# KiCad board FT232H_Board.kicad_pcb (continued)
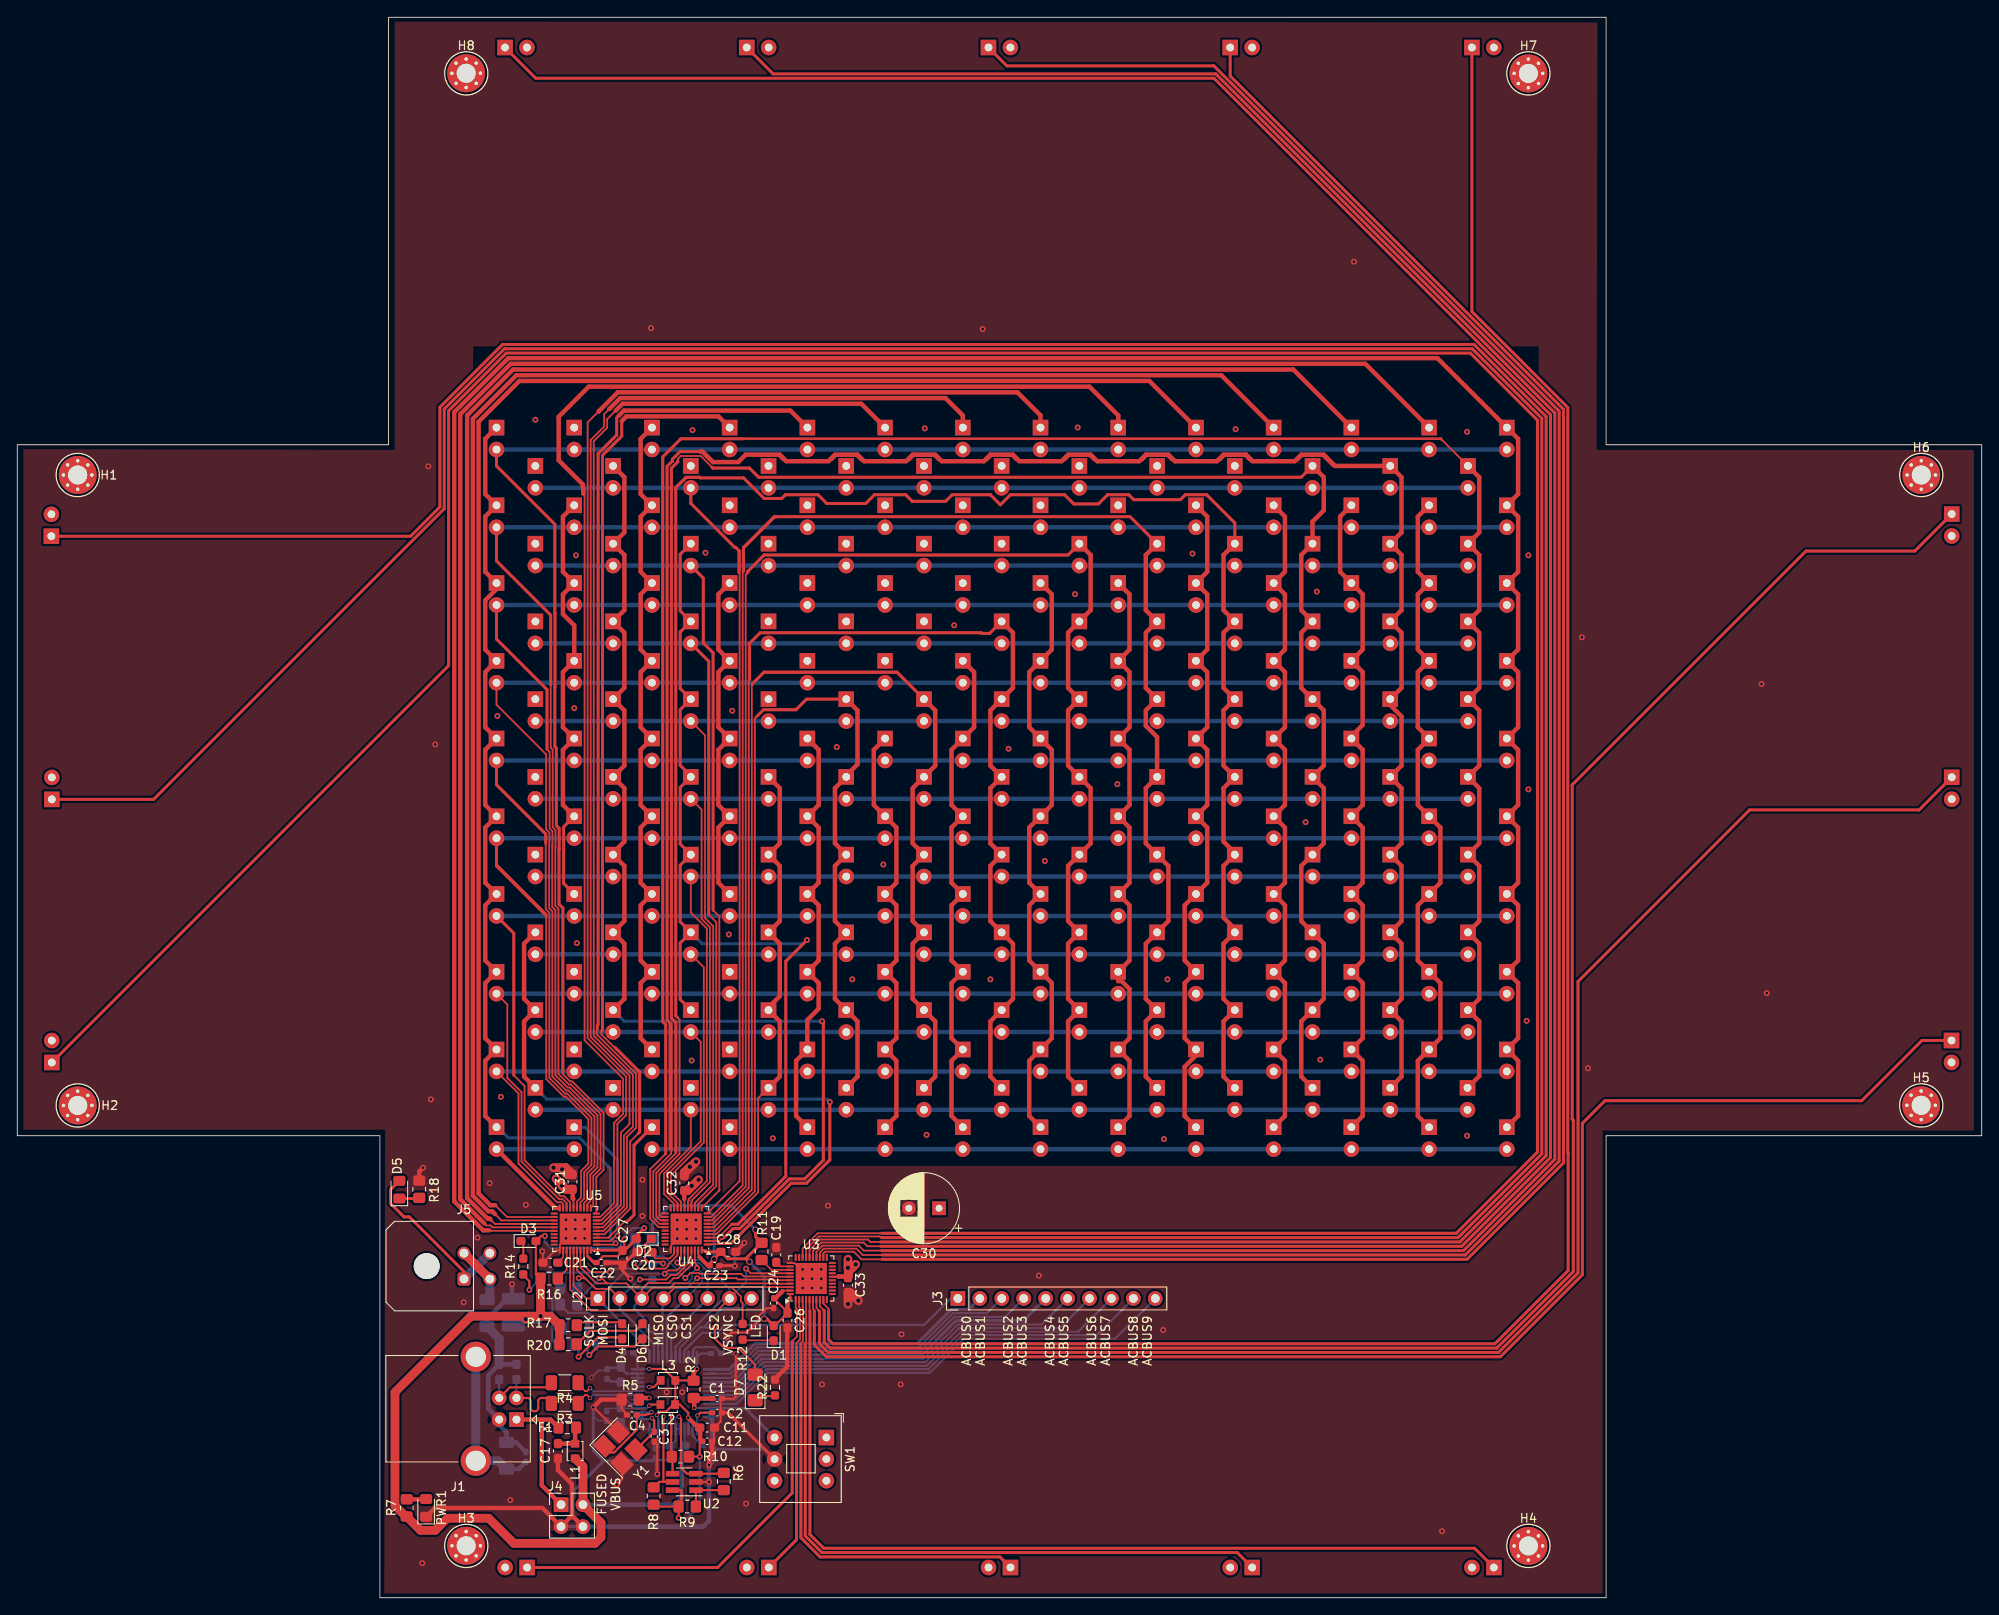
[diagram p0: board, top side]
## Placement (name value [footprint] x y rotation side) (continued)
H4  MountingHole  [MountingHole_2.2mm_M2_Pad_Via]  175 6 0 top
H5  MountingHole  [MountingHole_2.2mm_M2_Pad_Via]  220.48 57.02 0 top
H6  MountingHole  [MountingHole_2.2mm_M2_Pad_Via]  220.5 130 0 top
H7  MountingHole  [MountingHole_2.2mm_M2_Pad_Via]  175 176.5 0 top
H8  MountingHole  [MountingHole_2.2mm_M2_Pad_Via]  51.98 176.52 0 top
J1  USB_B  [USB_B_OST_USB-B1HSxx_Horizontal]  57.81 20.63 180 top
J2  Conn_01x08  [PinHeader_1x08_P2.54mm_Vertical]  67.24 34.65 90 top
J3  Conn_01x10  [PinHeader_1x10_P2.54mm_Vertical]  108.93 34.65 90 top
J4  POWER  [PinHeader_2x02_P2.54mm_Vertical]  62.98 10.77 0 top
J5  Molex Micro-Fit  [Molex_Micro-Fit_3.0_43045-0400_2x02_P3.00mm_Horizontal]  51.73 36.9 90 top
L1  600R@0.5A  [L_Murata_LQH2MCNxxxx02_2.0x1.6mm]  64.6 16.98 90 top
L2  600R@0.5A  [L_Murata_LQH2MCNxxxx02_2.0x1.6mm]  75.33 22.37 180 top
L3  600R@0.5A  [L_Murata_LQH2MCNxxxx02_2.0x1.6mm]  75.36 25.16 180 top
PWR1  RED  [LED_0805_2012Metric_Pad1.15x1.40mm_HandSolder]  47.35 10.4 90 top
Q1  NPN  [SOT-23]  63.35 30.24 90 bottom
Q2  NPN  [SOT-23]  67 30.25 270 bottom
R1  0R  [R_1206_3216Metric_Pad1.30x1.75mm_HandSolder]  56.66 16.45 270 bottom
R2  10k  [R_0805_2012Metric_Pad1.20x1.40mm_HandSolder]  78.33 24.13 90 top
R3  0R  [R_1206_3216Metric_Pad1.30x1.75mm_HandSolder]  63.4 22.5 180 top
R4  0R  [R_1206_3216Metric_Pad1.30x1.75mm_HandSolder]  63.4 24.9 180 top
R5  12K@1%  [R_0805_2012Metric_Pad1.20x1.40mm_HandSolder]  70.98 22.94 0 top
R6  2k  [R_0805_2012Metric_Pad1.20x1.40mm_HandSolder]  81.83 13.46 90 top
R7  600R  [R_0805_2012Metric_Pad1.20x1.40mm_HandSolder]  45.1 10.4 270 top
R8  10k  [R_0805_2012Metric_Pad1.20x1.40mm_HandSolder]  73.7 11.78 270 top
R9  10k  [R_0805_2012Metric_Pad1.20x1.40mm_HandSolder]  77.59 10.56 180 top
R10  10k  [R_0805_2012Metric_Pad1.20x1.40mm_HandSolder]  76.79 16.33 0 top
R11  4.7kR  [R_0805_2012Metric_Pad1.20x1.40mm_HandSolder]  86.2 40.1 270 top
R12  1.3k  [R_0603_1608Metric_Pad0.98x0.95mm_HandSolder]  84 30.8 90 top
R13  1.3k  [R_0603_1608Metric_Pad0.98x0.95mm_HandSolder]  73.55 37.7 270 bottom
R14  1.3k  [R_0603_1608Metric_Pad0.98x0.95mm_HandSolder]  58.6 38.35 270 top
R15  4.7kR  [R_0805_2012Metric_Pad1.20x1.40mm_HandSolder]  72.55 41.55 180 bottom
R16  4.7kR  [R_0805_2012Metric_Pad1.20x1.40mm_HandSolder]  61.6 36.95 0 top
R17  480R  [R_0805_2012Metric_Pad1.20x1.40mm_HandSolder]  63.8 31.55 0 top
R18  600R  [R_0805_2012Metric_Pad1.20x1.40mm_HandSolder]  46.55 47.3 90 top
R19  10k  [R_0805_2012Metric_Pad1.20x1.40mm_HandSolder]  63.85 35.85 0 bottom
R20  480R  [R_0805_2012Metric_Pad1.20x1.40mm_HandSolder]  63.8 29.35 0 top
R21  10k  [R_0805_2012Metric_Pad1.20x1.40mm_HandSolder]  63.85 33.95 0 bottom
R22  100  [R_0603_1608Metric_Pad0.98x0.95mm_HandSolder]  87.75 24.35 90 top
R23  0R  [R_1206_3216Metric_Pad1.30x1.75mm_HandSolder]  54.4 32.95 270 bottom
SW1  RESET  [SW_Push_2P2T_Toggle_CK_PVA2xxH3xxxxxxV2]  93.7 18.55 270 top
TVS1  PGB1010603  [D_0603_1608Metric_Pad1.05x0.95mm_HandSolder]  55.81 26.15 90 bottom
TVS2  PGB1010603  [D_0603_1608Metric_Pad1.05x0.95mm_HandSolder]  57.81 26.15 90 bottom
U1  FT232H  [LQFP-48_7x7mm_P0.5mm]  75.98 23.7 0 bottom
U2  93LCxxBxxOT  [SOT-23-6_Handsoldering]  77.24 13.41 180 top
U3  LP5860T  [QFN-40-1EP_5x5mm_P0.4mm_EP3.6x3.6mm]  91.95 36.97 90 top
U4  LP5860T  [QFN-40-1EP_5x5mm_P0.4mm_EP3.6x3.6mm]  77.47 42.7 180 top
U5  LP5860T  [QFN-40-1EP_5x5mm_P0.4mm_EP3.6x3.6mm]  64.62 42.69 180 top
Y1  12MHz@12ppm  [Crystal_SMD_3225-4Pin_3.2x2.5mm_HandSoldering]  69.82 17.35 315 top

## Library data of the parts
C1 C2 C6 C8 C10 C12-C16 C18 = -: LCSC: C2655418; ki_fp_filters: C_*
C3 C4 = -: LCSC: C513591; ki_fp_filters: C_*
C5 C7 C9 C11 = -: LCSC: C5596636; ki_fp_filters: CP_*
C17 = -: LCSC: C43253; ki_fp_filters: C_*
C19-C21 = -: Description: Unpolarized capacitor; LCSC: C76619; ki_fp_filters: C_*
C22-C24 = -: Description: Unpolarized capacitor; LCSC: C147546; ki_fp_filters: C_*
C25 = -: Description: Unpolarized capacitor; LCSC: C597571; ki_fp_filters: C_*
C26-C28 C31-C33 = -: LCSC: C76619; ki_fp_filters: C_*
C30 = -: Description: Polarized capacitor; LCSC: C840077; ki_fp_filters: CP_*
D1-D3 = -: Description: Light emitting diode; LCSC: C189306; ki_fp_filters: LED* LED_SMD:* LED_THT:*
D4 D6 = -: Description: Light emitting diode, filled shape; LCSC: C7496818; ki_fp_filters: LED* LED_SMD:* LED_THT:*
D5 = -: Description: Light emitting diode; LCSC: C7496834; ki_fp_filters: LED* LED_SMD:* LED_THT:*
D7 = -: Description: Light emitting diode; LCSC: C965858; ki_fp_filters: LED* LED_SMD:* LED_THT:*
DB1-DB140 DIR1-DIR16 DO1-DO117 = -: ki_fp_filters: LED* LED_SMD:* LED_THT:*
F1 = -: LCSC: C516070; ki_fp_filters: *polyfuse* *PTC*
H1-H8 = -: ki_fp_filters: MountingHole*Pad*
J1 = -: LCSC: C464566; ki_fp_filters: USB*
J2 = -: LCSC: C6332201; ki_fp_filters: Connector*:*_1x??_*
J3 = -: LCSC: C5383117; ki_fp_filters: Connector*:*_1x??_*
J4 = -: LCSC: C5383103; ki_fp_filters: Connector*:*_1x??_*
J5 = -: Description: Generic connector, double row, 02x02, odd/even pin numbering scheme (row 1 odd numbers, row 2 even numbers), script generated (kicad-library-utils/schlib/autogen/connector/); LCSC: C122413; ki_fp_filters: Connector*:*_2x??_*
L1-L3 = -: LCSC: C917337; ki_fp_filters: Choke_* *Coil* Inductor_* L_*
PWR1 = -: LCSC: C7496834; ki_fp_filters: LED* LED_SMD:* LED_THT:*
Q1 Q2 = -: Datasheet: https://ngspice.sourceforge.io/docs/ngspice-html-manual/manual.xhtml#cha_BJTs; Description: Bipolar transistor symbol for simulation only, substrate tied to the emitter; Sim.Type: GUMMELPOON; Sim.Pins: 1=C 2=B 3=E; LCSC: C18221467
R1 R3 R4 = -: LCSC: C2074152; ki_fp_filters: R_*
R2 R8-R10 = -: LCSC: C163957; ki_fp_filters: R_*
R5 = -: LCSC: C515719; ki_fp_filters: R_*
R6 = -: LCSC: C2934151; ki_fp_filters: R_*
R7 = -: LCSC: C706363; ki_fp_filters: R_*
R11 R15 R16 = -: Description: Resistor; LCSC: C192064; ki_fp_filters: R_*
R12-R14 = -: Description: Resistor; LCSC: C334843; ki_fp_filters: R_*
R17 R20 = -: Description: Resistor; LCSC: C144560; ki_fp_filters: R_*
R18 = -: Description: Resistor; LCSC: C706363; ki_fp_filters: R_*
R19 R21 = -: Description: Resistor; LCSC: C163957; ki_fp_filters: R_*
R22 = -: Description: Resistor; LCSC: C844726; ki_fp_filters: R_*
R23 = -: Description: Resistor; LCSC: C2074152; ki_fp_filters: R_*
SW1 = -: Description: Slide Switch, dual pole double throw; LCSC: C528785
TVS1 TVS2 = -: LCSC: C10677
U1 = -: Datasheet: https://www.ftdichip.com/Support/Documents/DataSheets/ICs/DS_FT232H.pdf; LCSC: C51997; ki_fp_filters: QFN*1EP*8x8mm*P0.5mm* LQFP*7x7mm*P0.5mm*
U2 = -: Datasheet: http://ww1.microchip.com/downloads/en/DeviceDoc/20001749K.pdf; LCSC: C190271; ki_fp_filters: SOT?23*
U3-U5 = -: Datasheet: https://www.ti.com/lit/ds/symlink/lp5860t.pdf; Description: 11x18 LED High-Current Matrix Driver; LCSC: C22427238; ki_fp_filters: QFN*1EP*5x5mm*P0.4mm*
Y1 = -: Description: Four pin crystal, GND on pins 2 and 4; LCSC: C668846; ki_fp_filters: Crystal*

## Footprints (pads in the part's own frame, mm; a bottom-side part is the same pattern mirrored in y, then rotated)
C_0402_1005Metric_Pad0.74x0.62mm_HandSolder
  rrect 0.735x0.62 smd: 1(-0.568,0) 2(0.568,0)
C_0603_1608Metric_Pad1.08x0.95mm_HandSolder
  rrect 1.075x0.95 smd: 1(-0.863,0) 2(0.863,0)
C_1210_3225Metric_Pad1.33x2.70mm_HandSolder
  rrect 1.325x2.7 smd: 1(-1.562,0) 2(1.562,0)
CP_Radial_D8.0mm_P3.50mm
  rect 1.6x1.6 hole 0.8: 1(0,0)
  round 1.6 hole 0.8: 2(3.5,0)
Crystal_SMD_3225-4Pin_3.2x2.5mm_HandSoldering
  rect 2.1x1.8 smd: 1(-1.45,-1.15) 2(1.45,-1.15) 3(1.45,1.15) 4(-1.45,1.15)
D_0603_1608Metric_Pad1.05x0.95mm_HandSolder
  rrect 1.05x0.95 smd: 1(-0.875,0) 2(0.875,0)
Fuse_0805_2012Metric_Pad1.15x1.40mm_HandSolder
  rrect 1.15x1.4 smd: 1(-1.025,0) 2(1.025,0)
L_Murata_LQH2MCNxxxx02_2.0x1.6mm
  rect 0.9x1 smd: 1(-0.85,0) 2(0.85,0)
LED_0603_1608Metric_Pad1.05x0.95mm_HandSolder
  rrect 1.05x0.95 smd: 1(-0.875,0) 2(0.875,0)
LED_0805_2012Metric_Pad1.15x1.40mm_HandSolder
  rrect 1.15x1.4 smd: 1(-1.025,0) 2(1.025,0)
LED_1206_3216Metric_Pad1.42x1.75mm_HandSolder
  rrect 1.425x1.75 smd: 1(-1.488,0) 2(1.488,0)
LED_D5.0mm
  rect 1.8x1.8 hole 0.9: 1(0,0)
  round 1.8 hole 0.9: 2(2.54,0)
LQFP-48_7x7mm_P0.5mm
  rrect 1.475x0.3 smd: 1(-4.162,2.75) 2(-4.162,2.25) 3(-4.162,1.75) 4(-4.162,1.25) 5(-4.162,0.75) 6(-4.162,0.25) 7(-4.162,-0.25) 8(-4.162,-0.75) 9(-4.162,-1.25) 10(-4.162,-1.75) 11(-4.162,-2.25) 12(-4.162,-2.75) 25(4.162,-2.75) 26(4.162,-2.25) 27(4.162,-1.75) 28(4.162,-1.25) 29(4.162,-0.75) 30(4.162,-0.25) 31(4.162,0.25) 32(4.162,0.75) 33(4.162,1.25) 34(4.162,1.75) 35(4.162,2.25) 36(4.162,2.75)
  rrect 0.3x1.475 smd: 13(-2.75,-4.162) 14(-2.25,-4.162) 15(-1.75,-4.162) 16(-1.25,-4.162) 17(-0.75,-4.162) 18(-0.25,-4.162) 19(0.25,-4.162) 20(0.75,-4.162) 21(1.25,-4.162) 22(1.75,-4.162) 23(2.25,-4.162) 24(2.75,-4.162) 37(2.75,4.162) 38(2.25,4.162) 39(1.75,4.162) 40(1.25,4.162) 41(0.75,4.162) 42(0.25,4.162) 43(-0.25,4.162) 44(-0.75,4.162) 45(-1.25,4.162) 46(-1.75,4.162) 47(-2.25,4.162) 48(-2.75,4.162)
Molex_Micro-Fit_3.0_43045-0400_2x02_P3.00mm_Horizontal
  round 3 hole 3 unplated: (1.5,4.32)
  rrect 1.5x1.5 hole 1.02: 1(0,0)
  round 1.5 hole 1.02: 2(3,0) 3(0,-3) 4(3,-3)
MountingHole_2.2mm_M2_Pad_Via
  round 0.7 hole 0.4: 1(-1.65,0) 1(-1.167,1.167) 1(-1.167,-1.167) 1(0,1.65) 1(0,-1.65) 1(1.167,1.167) 1(1.167,-1.167) 1(1.65,0)
  round 4.4 hole 2.2: 1(0,0)
PinHeader_1x08_P2.54mm_Vertical
  rect 1.7x1.7 hole 1: 1(0,0)
  oval 1.7x1.7 hole 1: 2(0,-2.54) 3(0,-5.08) 4(0,-7.62) 5(0,-10.16) 6(0,-12.7) 7(0,-15.24) 8(0,-17.78)
PinHeader_1x10_P2.54mm_Vertical
  rect 1.7x1.7 hole 1: 1(0,0)
  oval 1.7x1.7 hole 1: 2(0,-2.54) 3(0,-5.08) 4(0,-7.62) 5(0,-10.16) 6(0,-12.7) 7(0,-15.24) 8(0,-17.78) 9(0,-20.32) 10(0,-22.86)
PinHeader_2x02_P2.54mm_Vertical
  rect 1.7x1.7 hole 1: 1(0,0)
  oval 1.7x1.7 hole 1: 2(2.54,0) 3(0,-2.54) 4(2.54,-2.54)
QFN-40-1EP_5x5mm_P0.4mm_EP3.6x3.6mm
  rrect 0.97x0.97 smd: (-1.2,1.2) (-1.2,0) (-1.2,-1.2) (0,1.2) (0,0) (0,-1.2) (1.2,1.2) (1.2,0) (1.2,-1.2)
  rrect 0.825x0.25 smd: 1(-2.438,1.8) 2(-2.438,1.4) 3(-2.438,1) 4(-2.438,0.6) 5(-2.438,0.2) 6(-2.438,-0.2) 7(-2.438,-0.6) 8(-2.438,-1) 9(-2.438,-1.4) 10(-2.438,-1.8) 21(2.438,-1.8) 22(2.438,-1.4) 23(2.438,-1) 24(2.438,-0.6) 25(2.438,-0.2) 26(2.438,0.2) 27(2.438,0.6) 28(2.438,1) 29(2.438,1.4) 30(2.438,1.8)
  rrect 0.25x0.825 smd: 11(-1.8,-2.438) 12(-1.4,-2.438) 13(-1,-2.438) 14(-0.6,-2.438) 15(-0.2,-2.438) 16(0.2,-2.438) 17(0.6,-2.438) 18(1,-2.438) 19(1.4,-2.438) 20(1.8,-2.438) 31(1.8,2.438) 32(1.4,2.438) 33(1,2.438) 34(0.6,2.438) 35(0.2,2.438) 36(-0.2,2.438) 37(-0.6,2.438) 38(-1,2.438) 39(-1.4,2.438) 40(-1.8,2.438)
  rect 3.6x3.6 smd: 41(0,0)
R_0603_1608Metric_Pad0.98x0.95mm_HandSolder
  rrect 0.975x0.95 smd: 1(-0.912,0) 2(0.912,0)
R_0805_2012Metric_Pad1.20x1.40mm_HandSolder
  rrect 1.2x1.4 smd: 1(-1,0) 2(1,0)
R_1206_3216Metric_Pad1.30x1.75mm_HandSolder
  rrect 1.3x1.75 smd: 1(-1.55,0) 2(1.55,0)
SOT-23
  rrect 1.475x0.6 smd: 1(-0.938,0.95) 2(-0.938,-0.95) 3(0.938,0)
SOT-23-6_Handsoldering
  rect 1.56x0.65 smd: 1(-1.35,0.95) 2(-1.35,0) 3(-1.35,-0.95) 4(1.35,-0.95) 5(1.35,0) 6(1.35,0.95)
SW_Push_2P2T_Toggle_CK_PVA2xxH3xxxxxxV2
  rect 1.8x1.8 hole 0.9: 1(0,0)
  round 1.8 hole 0.9: 2(2.5,0) 3(5,0) 4(0,-6) 5(2.5,-6) 6(5,-6)
USB_B_OST_USB-B1HSxx_Horizontal
  rect 1.7x1.7 hole 0.92: 1(0,0)
  round 1.7 hole 0.92: 2(0,-2.5) 3(2,-2.5) 4(2,0)
  round 3.5 hole 2.33: 5(4.71,4.77) 5(4.71,-7.27)

## Nets
+3V3: C11.1 C12.1 C14.1 C15.1 C16.1 L2.1 L3.1 R2.2 R8.2 R9.2 R10.2 U1.12 U1.24 U1.39 U1.46 U2.6
GNDD: C1.2 C2.2 C3.2 C4.2 C5.2 C6.2 C7.2 C8.2 C9.2 C10.2 C11.2 C12.2 C13.2 C14.2 C15.2 C16.2 C17.2 C18.2 C19.2 C20.2 C21.2 C22.2 C23.2 C24.2 C25.2 C26.2 C27.2 C28.2 C30.2 C31.2 C32.2 C33.2 J1.4 J4.3 J4.4 PWR1.1 Q1.3 Q2.3 R1.1 R5.1 R18.2 R22.2 R23.2 SW1.5 TVS1.2 TVS2.2 U1.4 U1.9 U1.10 U1.11 U1.22 U1.23 U1.35 U1.36 U1.41 U1.42 U1.47 U1.48 U2.2 U3.31 U3.41 U4.31 U4.41 U5.31 U5.41 Y1.2 Y1.4
GNDS: J5.2 J5.3 R23.1
VBUS: C5.1 C6.1 C22.1 C23.1 C24.1 C25.1 C26.1 C27.1 C28.1 D1.2 D2.2 D3.2 J4.2 L1.1 R7.2 R11.1 R15.1 R16.1 R17.1 R20.1 U1.40 U3.39 U3.40 U4.39 U4.40 U5.39 U5.40
/0_cs0: DIR4.1 U3.1
/0_cs1: DIR5.1 U3.2
/0_cs2: DIR6.1 U3.3
/0_cs3: DIR7.1 U3.4
/0_cs4: DIR8.1 U3.5
/0_cs5: DIR3.1 U3.6
/0_cs6: DIR2.1 U3.7
/0_cs7: DIR1.1 U3.8
/0_cs8: DIR12.1 U3.9
/0_cs9: DIR13.1 U3.22
/0_cs10: DIR14.1 U3.23
/0_cs11: DIR15.1 U3.24
/0_cs12: DIR16.1 U3.25
/0_cs13: DIR11.1 U3.26
/0_cs14: DIR10.1 U3.27
/0_cs15: DIR9.1 U3.28
/1_cs0: DO1.1 DO2.1 DO3.1 DO4.1 DO5.1 DO6.1 DO7.1 DO8.1 DO9.1 U4.1
/1_cs1: DO10.1 DO11.1 DO12.1 DO13.1 DO14.1 DO15.1 DO16.1 DO17.1 DO18.1 U4.2
/1_cs2: DO19.1 DO20.1 DO21.1 DO22.1 DO23.1 DO24.1 DO25.1 DO26.1 DO27.1 U4.3
/1_cs3: DO28.1 DO29.1 DO30.1 DO31.1 DO32.1 DO33.1 DO34.1 DO35.1 DO36.1 U4.4
/1_cs4: DO37.1 DO38.1 DO39.1 DO40.1 DO41.1 DO42.1 DO43.1 DO44.1 DO45.1 U4.5
/1_cs5: DO46.1 DO47.1 DO48.1 DO49.1 DO50.1 DO51.1 DO52.1 DO53.1 DO54.1 U4.6
/1_cs6: DO55.1 DO56.1 DO57.1 DO58.1 DO59.1 DO60.1 DO61.1 DO62.1 DO63.1 U4.7
/1_cs7: DO64.1 DO65.1 DO66.1 DO67.1 DO68.1 DO69.1 DO70.1 DO71.1 DO72.1 U4.8
/1_cs8: DO73.1 DO74.1 DO75.1 DO76.1 DO77.1 DO78.1 DO79.1 DO80.1 DO81.1 U4.9
/1_cs9: DO82.1 DO83.1 DO84.1 DO85.1 DO86.1 DO87.1 DO88.1 DO89.1 DO90.1 U4.22
/1_cs10: DO91.1 DO92.1 DO93.1 DO94.1 DO95.1 DO96.1 DO97.1 DO98.1 DO99.1 U4.23
/1_cs11: DO100.1 DO101.1 DO102.1 DO103.1 DO104.1 DO105.1 DO106.1 DO107.1 DO108.1 U4.24
/1_cs12: DO109.1 DO110.1 DO111.1 DO112.1 DO113.1 DO114.1 DO115.1 DO116.1 DO117.1 U4.25
/1_sw0: DO1.2 DO10.2 DO19.2 DO28.2 DO37.2 DO46.2 DO55.2 DO64.2 DO73.2 DO82.2 DO91.2 DO100.2 DO109.2 U4.10
/1_sw1: DO2.2 DO11.2 DO20.2 DO29.2 DO38.2 DO47.2 DO56.2 DO65.2 DO74.2 DO83.2 DO92.2 DO101.2 DO110.2 U4.11
/1_sw2: DO3.2 DO12.2 DO21.2 DO30.2 DO39.2 DO48.2 DO57.2 DO66.2 DO75.2 DO84.2 DO93.2 DO102.2 DO111.2 U4.12
/1_sw3: DO4.2 DO13.2 DO22.2 DO31.2 DO40.2 DO49.2 DO58.2 DO67.2 DO76.2 DO85.2 DO94.2 DO103.2 DO112.2 U4.13
/1_sw4: DO5.2 DO14.2 DO23.2 DO32.2 DO41.2 DO50.2 DO59.2 DO68.2 DO77.2 DO86.2 DO95.2 DO104.2 DO113.2 U4.14
/1_sw5: DO6.2 DO15.2 DO24.2 DO33.2 DO42.2 DO51.2 DO60.2 DO69.2 DO78.2 DO87.2 DO96.2 DO105.2 DO114.2 U4.15
/1_sw6: DO7.2 DO16.2 DO25.2 DO34.2 DO43.2 DO52.2 DO61.2 DO70.2 DO79.2 DO88.2 DO97.2 DO106.2 DO115.2 U4.17
/1_sw7: DO8.2 DO17.2 DO26.2 DO35.2 DO44.2 DO53.2 DO62.2 DO71.2 DO80.2 DO89.2 DO98.2 DO107.2 DO116.2 U4.18
/1_sw8: DO9.2 DO18.2 DO27.2 DO36.2 DO45.2 DO54.2 DO63.2 DO72.2 DO81.2 DO90.2 DO99.2 DO108.2 DO117.2 U4.19
/2_cs0: DB1.1 DB2.1 DB3.1 DB4.1 DB5.1 DB6.1 DB7.1 DB8.1 DB9.1 DB10.1 U5.1
/2_cs1: DB11.1 DB12.1 DB13.1 DB14.1 DB15.1 DB16.1 DB17.1 DB18.1 DB19.1 DB20.1 U5.2
/2_cs2: DB21.1 DB22.1 DB23.1 DB24.1 DB25.1 DB26.1 DB27.1 DB28.1 DB29.1 DB30.1 U5.3
/2_cs3: DB31.1 DB32.1 DB33.1 DB34.1 DB35.1 DB36.1 DB37.1 DB38.1 DB39.1 DB40.1 U5.4
/2_cs4: DB41.1 DB42.1 DB43.1 DB44.1 DB45.1 DB46.1 DB47.1 DB48.1 DB49.1 DB50.1 U5.5
/2_cs5: DB51.1 DB52.1 DB53.1 DB54.1 DB55.1 DB56.1 DB57.1 DB58.1 DB59.1 DB60.1 U5.6
/2_cs6: DB61.1 DB62.1 DB63.1 DB64.1 DB65.1 DB66.1 DB67.1 DB68.1 DB69.1 DB70.1 U5.7
/2_cs7: DB71.1 DB72.1 DB73.1 DB74.1 DB75.1 DB76.1 DB77.1 DB78.1 DB79.1 DB80.1 U5.8
/2_cs8: DB81.1 DB82.1 DB83.1 DB84.1 DB85.1 DB86.1 DB87.1 DB88.1 DB89.1 DB90.1 U5.9
/2_cs9: DB91.1 DB92.1 DB93.1 DB94.1 DB95.1 DB96.1 DB97.1 DB98.1 DB99.1 DB100.1 U5.22
/2_cs10: DB101.1 DB102.1 DB103.1 DB104.1 DB105.1 DB106.1 DB107.1 DB108.1 DB109.1 DB110.1 U5.23
/2_cs11: DB111.1 DB112.1 DB113.1 DB114.1 DB115.1 DB116.1 DB117.1 DB118.1 DB119.1 DB120.1 U5.24
/2_cs12: DB121.1 DB122.1 DB123.1 DB124.1 DB125.1 DB126.1 DB127.1 DB128.1 DB129.1 DB130.1 U5.25
/2_cs13: DB131.1 DB132.1 DB133.1 DB134.1 DB135.1 DB136.1 DB137.1 DB138.1 DB139.1 DB140.1 U5.26
/2_sw0: DB1.2 DB11.2 DB21.2 DB31.2 DB41.2 DB51.2 DB61.2 DB71.2 DB81.2 DB91.2 DB101.2 DB111.2 DB121.2 DB131.2 U5.10
/2_sw1: DB2.2 DB12.2 DB22.2 DB32.2 DB42.2 DB52.2 DB62.2 DB72.2 DB82.2 DB92.2 DB102.2 DB112.2 DB122.2 DB132.2 U5.11
/2_sw2: DB3.2 DB13.2 DB23.2 DB33.2 DB43.2 DB53.2 DB63.2 DB73.2 DB83.2 DB93.2 DB103.2 DB113.2 DB123.2 DB133.2 U5.12
/2_sw3: DB4.2 DB14.2 DB24.2 DB34.2 DB44.2 DB54.2 DB64.2 DB74.2 DB84.2 DB94.2 DB104.2 DB114.2 DB124.2 DB134.2 U5.13
/2_sw4: DB5.2 DB15.2 DB25.2 DB35.2 DB45.2 DB55.2 DB65.2 DB75.2 DB85.2 DB95.2 DB105.2 DB115.2 DB125.2 DB135.2 U5.14
/2_sw5: DB6.2 DB16.2 DB26.2 DB36.2 DB46.2 DB56.2 DB66.2 DB76.2 DB86.2 DB96.2 DB106.2 DB116.2 DB126.2 DB136.2 U5.15
/2_sw6: DB7.2 DB17.2 DB27.2 DB37.2 DB47.2 DB57.2 DB67.2 DB77.2 DB87.2 DB97.2 DB107.2 DB117.2 DB127.2 DB137.2 U5.17
/2_sw7: DB8.2 DB18.2 DB28.2 DB38.2 DB48.2 DB58.2 DB68.2 DB78.2 DB88.2 DB98.2 DB108.2 DB118.2 DB128.2 DB138.2 U5.18
/2_sw8: DB9.2 DB19.2 DB29.2 DB39.2 DB49.2 DB59.2 DB69.2 DB79.2 DB89.2 DB99.2 DB109.2 DB119.2 DB129.2 DB139.2 U5.19
/2_sw9: DB10.2 DB20.2 DB30.2 DB40.2 DB50.2 DB60.2 DB70.2 DB80.2 DB90.2 DB100.2 DB110.2 DB120.2 DB130.2 DB140.2 U5.20
/93LCxx_DO: R6.1 R9.1 U2.1
/ACBUS0: J3.1 U1.21
/ACBUS1: J3.2 U1.25
/ACBUS2: J3.3 U1.26
/ACBUS3: J3.4 U1.27
/ACBUS4: J3.5 U1.28
/ACBUS5: J3.6 U1.29
/ACBUS6: J3.7 U1.30
/ACBUS7: J3.8 U1.31
/ACBUS8: J3.9 U1.32
/ACBUS9: J3.10 U1.33
/CS0: J2.4 R12.2 U1.16 U3.38
/CS1: J2.5 R13.2 U1.17 U4.38
/CS2: J2.6 R14.2 U1.18 U5.38
/EECLK: R10.1 U1.44 U2.4
/EECS: R8.1 U1.45 U2.5
/EEDATA: R6.2 U1.43 U2.3
/FT232_#RST: C1.1 R2.1 SW1.4 U1.34
/FT232H_D+: R4.1 U1.7
/FT232H_D-: R3.1 U1.6
/FT232H_REF: R5.2 U1.5
/FT232H_VCCA: C2.1 U1.37
/FUSED_VBUS: C17.1 F1.1 L1.2
/LED_TEST: D7.2 J2.8 U1.20
/MISO: J2.3 R21.2 U1.15 U3.37 U4.37 U5.37
/MOSI: J2.2 R19.2 U1.14 U3.36 U4.36 U5.36
/SCLK: J2.1 U1.13 U3.35 U4.35 U5.35
/USB_D+: J1.3 R4.2 TVS1.1
/USB_D-: J1.2 R3.2 TVS2.1
/USB_SHIELD: C18.1 J1.5 R1.2
/USB_VBUS: F1.2 J1.1 J4.1
/VCORE: C13.1 U1.38
/VPHY: C7.1 C8.1 L2.2 U1.3
/VPLL: C9.1 C10.1 L3.2 U1.8
/VSYNC: J2.7 U1.19 U3.34 U4.34 U5.34
/XCSI: C3.1 U1.1 Y1.3
/XCSO: C4.1 U1.2 Y1.1
VLED: C30.1 C31.1 C32.1 C33.1 D5.2 DIR1.2 DIR2.2 DIR3.2 DIR4.2 DIR5.2 DIR6.2 DIR7.2 DIR8.2 DIR9.2 DIR10.2 DIR11.2 DIR12.2 DIR13.2 DIR14.2 DIR15.2 DIR16.2 J5.1 J5.4 U3.16 U4.16 U5.16
Net-(D1-K): D1.1 R12.1
Net-(D2-K): D2.1 R13.1
Net-(D3-K): D3.1 R14.1
Net-(D4-A): D4.2 R17.2
Net-(D4-K): D4.1 Q1.1
Net-(D5-K): D5.1 R18.1
Net-(D6-A): D6.2 R20.2
Net-(D6-K): D6.1 Q2.1
Net-(D7-K): D7.1 R22.1
Net-(PWR1-A): PWR1.2 R7.1
Net-(Q1-B): Q1.2 R19.1
Net-(Q2-B): Q2.2 R21.1
Net-(U3-IFS): R11.2 U3.33
Net-(U3-VCAP): C19.1 U3.32
Net-(U4-IFS): R15.2 U4.33
Net-(U4-VCAP): C20.1 U4.32
Net-(U5-IFS): R16.2 U5.33
Net-(U5-VCAP): C21.1 U5.32

Pads without a net: H1 1; H2 1; H3 1; H4 1; H5 1; H6 1; H7 1; H8 1; SW1 1 2 3 6; U3 10 11 12 13 14 15 17 18 19 20 21 29 30; U4 20 21 26 27 28 29 30; U5 21 27 28 29 30

## Via types
v1: diameter 0.508, hole 0.33, Top to Bottom, 19 vias
v2: diameter 0.686, hole 0.33, Top to Bottom, 128 vias
v3: diameter 0.762, hole 0.508, Top to Bottom, 19 vias

## Routing (per net, layer and track width the routed paths; a pad name or vN(x,y) marks a point on that pad's centre or on a via; arc(x,y) is an arc through that point)
+3V3: length 50.3
  Top w0.254: 76.24,25.16 74.9,26.49 v1(73.19,26.49) ; 76.24,25.16 76.21,25.13 76.21,22.37 ; 76.24,25.16 78.3,25.16 R2.2 ; U2.6 76.92,12.46 76.92,10.89 R9.2 ; 76.21,22.37 76.75,22.37 77.7,21.41 v1(77.7,20.84) ; 76.21,22.37 75.95,22.37 75.12,21.54 74.46,21.54 v1(74.08,21.16) ; C12.1 79.03,17.8 v2(79.03,16.33) R10.2 ; R8.2 73.92,10.56 R9.2 ; R9.2 76.59,10.55 v2(76.59,9.25)
  Top w0.508: R2.2 78.33,26.11 v1(78.71,26.49) ; C12.1 79.09,18.36 79.09,19.7 78.84,19.7 v1(77.7,20.84)
  Bottom w0.254: U1.39 77.73,20.81 v1(77.7,20.84) ; v1(78.71,26.49) 78.73,26.51 U1.24 79.14,28.27 80.51,28.27 ; 73.89,17.14 74.23,17.48 U1.46 74.23,21 v1(74.08,21.16) ; v1(73.19,26.49) 71.87,26.49 71.82,26.45 71.82,27.84 C14.1 ; v2(76.59,9.25) 77.65,9.25 79.03,10.63 v2(79.03,16.33)
GNDD: length 241.8
  Top w0.2: 75.92,41.15 75.92,40.97 75.69,40.74 75.69,40.29 U4.31 ; 63.07,41.14 62.85,40.91 62.85,40.69 62.84,40.69 62.84,40.27 U5.31 62.33,40.25 C21.2 60.88,40.02 v2(60.8,40.1) ; U3.31 89.54,38.74 90.01,38.74 90.23,38.52 90.4,38.52
  Top w0.254: v2(80.11,13.41) 80.11,13.41 U2.2 ; v1(66.7,22.05) 66.75,22.05 Y1.4 ; R5.1 69.98,21.88 70.6,21.26 C4.2 ; Y1.2 70.03,13.73 v2(69.4,13.1) ; v1(83.21,28.27) 83.21,23.29 82.98,23.06 81.46,23.06 81.46,20.4 C11.2 80.7,19.7 80.7,18.33 C12.2 ; v2(74.12,14.31) 74.12,17.71 C3.2 ; v2(82.2,30.2) 82.7,30.7 84.45,30.7 85.84,32.09 85.84,32.57 86.8,33.53 C24.2
  Top w0.35: C20.2 71.61,40 C27.2 70.1,37.86 v2(71,36.96) ; C23.2 83.05,38.45 v2(83.1,38.4) ; SW1.5 82.34,21.41 81.46,21.41 ; v2(84.2,41.1) 84.2,41.04 C28.2
  Top w0.508: R18.2 46.55,49.35 v2(47,49.8) ; 64.23,9.52 64.23,9.49 J4.3 60.81,10.4 48.38,10.4 47.35,9.38 ; 64.23,9.52 64.23,13.16 62.61,14.78 C17.2 ; 64.23,9.52 J4.4 ; C27.2 69.79,38.8 C22.2 ; v1(66.7,22.05) 67.59,22.94 R5.1 ; C12.2 80.47,16.37 80.12,16.02 v2(80.12,15.36) ; C26.2 89.16,31.2 89.16,26.76 87.75,25.35
  Top w1.016: v3(96.2,34) C33.2 96.46,35.34 v3(97.4,34.4) ; v3(63.1,49.6) 63.69,49.01 C31.2 63.51,49.8 v3(62.1,49.8) ; v3(78.6,50.5) 77.25,49.15 C32.2 77.25,49.25 v3(77.9,49.9)
  Bottom w0.152: U1.48 70.7,19.54 69.73,20.5 67.22,20.5 66.7,21.02 v1(66.7,22.05) 67.64,22.99 70.43,22.99 70.97,22.45 71.82,22.45 ; C16.2 73.89,14.54 v2(74.12,14.31)
  Bottom w0.2: 68.3,26.32 67.32,26.32 v1(66.5,25.5)
  Bottom w0.254: U1.41 U1.42 76.23,18.18 75.81,17.76 C6.2 74.1,15.95 C16.2 ; 68.3,26.32 68.62,26.63 69.89,26.63 ; C15.2 80.74,29.03 78.58,29.03 78.3,28.75 78.3,28 78.23,27.93 U1.23 U1.22 ; C15.2 v1(83.21,28.27) ; C15.2 82.2,28.98 v2(82.2,30.2) ; 69.89,26.63 69.89,28.03 C14.2 ; 69.89,26.63 70.57,25.95 71.82,25.95 71.82,24.95 ; U1.48 U1.47 ; U1.35 U1.36
  Bottom w0.35: v2(83.1,38.4) 83.1,40 v2(84.2,41.1) ; 67.9,15.85 67.9,15.85 64.34,12.29 64.34,9.41 J4.4 J4.3 ; 67.9,15.85 73.58,15.85 C16.2 ; 67.9,15.85 66.7,17.05 v1(66.7,22.05) ; 80.31,17.6 C13.2 80.88,17.2 86.55,17.2 SW1.5
  Bottom w0.508: 56.69,19.11 55.81,19.98 J1.4 54.55,21.89 54.55,25.77 TVS1.2 TVS2.2 ; U1.36 80.47,20.62 80.47,15.71 v2(80.12,15.36) 80.11,15.34 v2(80.11,13.41) 80.11,8.9 79.44,8.23 J4.4 ; 56.66,19.08 R1.1 57.77,18 C18.2 ; R23.2 54.4,32.3 57.3,35.2 v2(57.3,36.3)
  Bottom w1.016: TVS1.2 55.81,29.99 R23.2
  vias: v2(46.9,4) v2(47.6,131) v2(47.9,57.7) v2(48.4,98.8) v2(51.7,34.2) v2(53.3,41.7) v2(54.7,48) v2(55.6,102.1) v2(56,58) v2(57.1,11.3) v2(58.9,45.5) v2(60,136.4) v2(63.54,43.77) v2(63.54,42.69) v2(63.54,41.61) v2(64.5,103) v2(64.62,43.77) v2(64.62,42.69) v2(64.62,41.61) v2(64.7,120.7) v2(64.8,75.8) v2(65.7,43.77) v2(65.7,42.69) v2(65.7,41.61) v2(72.4,48.4) v2(72.4,44.2) v2(73.4,147) v2(75.2,23.8) v2(76.43,43.74) v2(76.43,42.66) v2(76.43,41.58) v2(77,23.8) v2(77.51,43.74) v2(77.51,42.66) v2(77.51,41.58) v2(78.1,62.2) v2(78.2,135.2) v2(78.59,43.74) v2(78.59,42.66) v2(78.59,41.58) v2(79.7,121) v2(82.4,76.8) v2(82.8,102.7) v2(84.4,10.9) v2(87.5,53.2) v2(90.95,38.02) v2(90.95,36.94) v2(90.95,35.86) v2(92.03,38.02) v2(92.03,36.94) v2(92.03,35.86) v2(93.11,38.02) v2(93.11,36.94) v2(93.11,35.86) v2(93.2,24.7) v2(93.9,45.4) v2(94.9,98.5) v2(96.7,71.6) v2(100.3,84.9) v2(102.3,24.7) v2(102.4,30.5) v2(105.1,135.4) v2(105.3,53.6) v2(108.5,112.6) v2(111.8,146.9) v2(112.7,71.6) v2(114.8,98.3) v2(118.3,37.3) v2(119,85.3) v2(122.5,116.2) v2(122.8,135.5) v2(127.4,94.2) v2(132.7,31) v2(132.8,53.1) v2(133.2,71.6) v2(136.1,120.9) v2(141.1,135.3) v2(149.2,89.8) v2(150.5,116.5) v2(150.9,62.3) v2(154.8,154.7) v2(165,7.7) v2(167.9,135) v2(167.9,53.5) v2(174.8,66.8) v2(175,120.7) v2(175,93.6) v2(181.2,111.2) v2(181.9,61.3) v2(202,105.8) v2(202.6,70)
GNDS: length 6.8
  Top w1.016: J5.2 J5.3
  Bottom w1.016: R23.1 54.73,34.83 J5.3
VBUS: length 201.6
  Top w0.2: 88,34.95 88.62,35.57 U3.39 ; U4.39 78.87,39.77 C23.1 ; U4.40 79.4,40.26 79.61,40.05 C28.1 ; U5.39 66.02,39.57 66.09,39.49 ; U3.40 89.51,34.66
  Top w0.254: R16.1 60.06,37.49 60.06,40.88 ; 66.7,40.25 U5.40 ; 79.4,40.26 79.46,40.2 79.67,40.2 ; D3.2 60.67,41.89 v2(61.1,41.89) ; D1.2 87.74,31.5 C26.1 89.2,33.07 C24.1 ; C22.1 67.84,39.55 69.55,39.55 70.1,40.1 C27.1 70.3,40.41 v2(70.3,41.5)
  Top w0.35: 84.35,39.25 84.45,39.25 v3(84.8,38.9) ; 84.35,39.25 82.29,39.25 C28.1 ; 84.35,39.25 R11.1 85.5,41.8 v3(85.5,42.6) ; C28.1 79.83,40.05 79.67,40.2 ; C28.1 80.7,39.26 v3(80.7,39.2) 80.18,38.68 C23.1 79.91,38.45 78.89,39.47 ; v2(72.6,42.8) 71.67,41.88 D2.2 70.34,40.21 C27.1 70.06,40.25 66.7,40.25 ; D1.2 86.8,32.3 v3(86.5,32.3) ; 88,34.95 88.59,35.54 88.62,35.54 ; C22.1 66.79,38.8 66.09,39.49
  Top w0.508: 89.51,34.66 89.2,34.35 C26.1 ; 88.59,35.46 87.8,34.67 C24.1
  Top w1.016: 59.2,32.6 59.2,32.55 v3(58.9,32.25) ; 59.2,32.6 52.54,32.6 43.74,23.8 43.74,10.67 45.01,9.4 R7.2 46.7,7.8 48.4,7.8 49.8,9.2 54.6,9.2 57.5,6.3 66.9,6.3 67.6,7 67.6,8.69 J4.2 65.52,15.22 L1.1 ; 59.2,32.6 v3(60.6,32.6) ; v3(60.6,32.6) 61.75,32.6 R17.1 R20.1 ; v3(60.6,32.6) R16.1
  Bottom w0.254: U1.40 77.25,19.52 77.25,17.6 ; v2(61.1,41.89) 61.1,41.2 61.8,40.5 68.97,40.5 69.04,40.43 69.55,40.43 69.92,40.8 69.92,41.12 v2(70.3,41.5) 70.3,41.86 71.24,42.8 v2(72.6,42.8)
  Bottom w0.35: 78.7,45.4 75.6,45.4 73.55,43.35 R15.1 72.6,42.5 v2(72.6,42.8) ; 78.7,45.4 82.7,45.4 v3(85.5,42.6) ; 78.7,45.4 79.5,45.4 80.7,44.2 v3(80.7,39.2) ; v3(84.8,38.9) 86.5,37.2 v3(86.5,32.3)
  Bottom w0.508: J4.2 76.2,10.77 76.95,11.52 76.95,17.3 77.25,17.6
  Bottom w1.016: C25.1 58.21,32.25 v3(58.9,32.25) 60.25,32.25 v3(60.6,32.6)
/0_cs0: length 57
  Top w0.2: 89.74,29.7 90.29,30.25 90.29,33.41 90.15,33.55 U3.1
  Top w0.35: 89.74,29.7 89.74,12.14 81.1,3.5 DIR4.1
/0_cs1: length 32.6
  Top w0.2: 90.25,29.1 90.25,29.5 90.65,29.9 90.65,33.56 90.55,33.65 U3.2
  Top w0.35: DIR5.1 90.25,6.72 90.25,29.1
/0_cs2: length 53.4
  Top w0.2: U3.3 90.95,33.75 91,33.7 91,29.75 90.75,29.5 90.75,29.35
  Top w0.35: 90.75,29.35 90.75,6.95 92.97,4.73 113.79,4.73 DIR6.1
/0_cs3: length 80.7
  Top w0.2: 91.25,29.4 91.35,29.5 U3.4
  Top w0.35: DIR7.1 141.28,5.23 93.18,5.23 91.25,7.16 91.25,29.4
/0_cs4: length 108
  Top w0.2: 91.8,33.2 91.75,33.25 U3.5
  Top w0.35: 91.8,33.2 91.8,7.32 93.39,5.73 168.77,5.73 DIR8.1
/0_cs5: length 163
  Top w0.2: U3.6 92.15,33.45 92.3,33.3 92.3,33.2
  Top w0.35: 92.3,33.2 92.3,29.3 93.7,27.9 171.75,27.9 181.25,37.4 181.25,54.93 183.87,57.55 213.6,57.55 220.57,64.52 DIR3.1
/0_cs6: length 184.2
  Top w0.2: U3.7 92.55,33.55 92.8,33.3 92.8,33.25
  Top w0.35: DIR2.1 220.24,91.22 200.62,91.22 180.75,71.35 180.75,37.61 171.54,28.4 93.91,28.4 92.9,29.41 92.9,33.15 92.8,33.25
/0_cs7: length 209.2
  Top w0.2: U3.8 92.95,33.75 93.4,33.3
  Top w0.35: 93.4,33.3 93.45,33.25 93.45,29.57 94.12,28.9 171.33,28.9 180.2,37.77 180.2,55.3 180.07,55.43 180.07,94.12 207.14,121.19 219.74,121.19 DIR1.1
/0_cs8: length 240.5
  Top w0.2: 93.95,33.2 93.97,33.22 93.97,33.45 93.35,34.07 U3.9
  Top w0.35: 93.95,33.2 93.95,29.9 94.44,29.41 171.13,29.41 179.6,37.88 179.6,51.51 179.57,51.55 179.57,137.81 168.46,148.91 DIR12.1
/0_cs9: length 236.4
  Top w0.2: 100.15,39.19 97.76,39.19 96.88,40.07 93.56,40.07 93.35,39.86 U3.22
  Top w0.35: DIR13.1 140.47,176.2 179.06,137.6 179.06,50.35 167.9,39.19 100.15,39.19
/0_cs10: length 261.5
  Top w0.2: 100.15,39.69 97.91,39.69 97.18,40.42 93.41,40.42 92.95,39.96 U3.23
  Top w0.35: DIR14.1 114.6,177.37 138.58,177.37 178.56,137.39 178.56,50.56 167.69,39.69 100.15,39.69
/0_cs11: length 288.6
  Top w0.2: 100.1,40.19 98.03,40.19 97.45,40.77 93.26,40.77 92.55,40.06 U3.24
  Top w0.35: DIR15.1 87.53,176.45 138.8,176.45 178.06,137.18 178.06,50.77 167.48,40.19 100.1,40.19
/0_cs12: length 315.7
  Top w0.2: U3.25 92.15,40.16 93.12,41.13 98.02,41.13 98.46,40.69 100,40.69
  Top w0.35: DIR16.1 60.04,175.94 138.59,175.94 177.56,136.97 177.56,50.98 167.27,40.69 100,40.69
/0_cs13: length 369
  Top w0.2: U3.26 91.75,40.26 92.97,41.48 98.52,41.48 98.8,41.2 100,41.2
  Top w0.35: DIR11.1 45.55,122.91 48.95,126.31 48.95,137.86 56.21,145.12 168.7,145.12 177.05,136.77 177.05,51.18 167.07,41.2 100,41.2
/0_cs14: length 380.3
  Top w0.2: U3.27 91.35,40.36 92.83,41.83 99.86,41.83 99.92,41.77 100.03,41.77 100.15,41.65
  Top w0.35: DIR10.1 15.79,92.44 49.45,126.1 49.45,137.65 56.42,144.62 168.49,144.62 176.55,136.56 176.55,51.39 166.86,41.7 100.1,41.7
/0_cs15: length 402.1
  Top w0.2: U3.28 90.95,40.45 92.7,42.2 100.1,42.2
  Top w0.35: DIR9.1 49.95,107.92 49.95,137.44 56.62,144.11 168.29,144.11 176.05,136.35 176.05,51.6 166.65,42.2 100.1,42.2
/1_cs0: length 140.4
  Top w0.2: U4.1 80.36,40.9 80.41,40.95 81.81,40.95 81.9,41.04
  Top w0.35: 81.9,41.04 82.66,41.04 89.62,48 91.4,48 94.1,50.7 v2(94.1,57.4)
  Top w0.508: DO7.1 58.69,75.74 58.69,69.35 DO8.1 58.69,66.73 58.69,60.35 DO9.1
  In1.Cu w0.508: DO1.1 61.31,129.74 61.31,123.36 DO2.1 58.69,120.74 58.69,114.35 DO3.1 58.69,111.74 58.69,105.35 DO4.1 58.69,102.74 58.69,96.35 DO5.1 58.69,93.74 58.69,87.35 DO6.1 58.69,84.74 58.69,78.35 DO7.1
  Bottom w0.35: DO9.1 61.31,57.73 93.77,57.73 v2(94.1,57.4)
/1_cs1: length 138.9
  Top w0.2: 81.9,41.75 81.7,41.55 81.55,41.55 81.3,41.3 U4.2
  Top w0.35: v2(93.2,66.75) 93.35,66.6 93.35,50.66 91.19,48.5 89.41,48.5 83.66,42.75 82.9,42.75 81.9,41.75
  Top w0.508: DO17.1 70.31,69.35 70.31,75.74 DO16.1 70.31,78.35 70.31,84.74 DO15.1 69,86.25 70.31,87.56 70.31,93.74 DO14.1 70.31,96.35 70.31,102.74 DO13.1 70.31,105.35 70.31,111.74 DO12.1 70.31,114.35 70.31,120.74 DO11.1 70.31,123.36 70.31,129.74 DO10.1
  In1.Cu w0.508: DO17.1 67.69,66.73 67.69,60.35 DO18.1
  Bottom w0.35: v2(93.2,66.75) 70.29,66.75 DO17.1
/1_cs2: length 134.8
  Top w0.2: 82.75,43.25 81.2,41.7 U4.3
  Top w0.35: DO20.1 76.77,120.82 76.77,114.27 DO21.1 76.77,111.82 76.77,105.27 DO22.1 76.77,102.82 76.77,96.38 78,95.15 DO23.1 76.77,93.82 76.77,87.27 DO24.1 76.77,84.82 76.77,78.27 DO25.1 76.77,75.82 76.77,69.27 DO26.1 ; 82.75,43.25 83.45,43.25 89,48.8 89,73.7 v2(91.45,76.15)
  In1.Cu w0.508: DO27.1 79.3,60.34 79.3,66.74 DO26.1 ; DO19.1 79.31,129.74 79.31,123.36 DO20.1
  Bottom w0.35: v2(91.45,76.15) 91.03,75.73 79.31,75.73 DO25.1
/1_cs3: length 101.2
  Top w0.2: DO36.1 85.8,57.84 85.8,46.95 80.95,42.1 U4.4
  Top w0.508: DO36.1 88.31,60.35 88.31,66.73 DO35.1 87,68.35 88.31,69.66 88.31,75.74 DO34.1 88.31,78.35 88.31,84.74 DO33.1 88.31,87.35 88.31,93.74 DO32.1
  In1.Cu w0.508: DO28.1 88.31,129.74 88.31,123.36 DO29.1 88.31,120.74 88.31,114.35 DO30.1 88.31,111.74 88.31,105.35 DO31.1 88.31,102.74 88.31,96.35 DO32.1
/1_cs4: length 159.3
  Top w0.2: U4.5 80.85,42.5 85.41,47.06 85.41,101.81 86.49,102.89 90.25,102.89
  Top w0.35: 85.65,102.05 86.42,102.82 90.17,102.82 91.4,104.05 DO40.1
  Top w0.508: DO40.1 97.31,102.74 97.31,96.51 96,95.2 DO41.1 94.69,93.74 94.69,87.35 DO42.1 94.69,84.74 94.69,78.35 DO43.1 94.69,75.74 94.69,69.35 DO44.1 97.31,66.73 97.31,60.35 DO45.1
  In1.Cu w0.508: DO40.1 94.69,105.35 94.69,111.05 96,112.36 DO39.1 94.69,114.35 94.69,120.74 DO38.1 94.69,123.36 94.69,129.74 DO37.1
/1_cs5: length 189.7
  Top w0.2: DO49.1 101.95,107.1 86.41,107.1 85.06,105.75 85.06,47.26 80.7,42.9 U4.6
  Top w0.35: 85.14,105.75 85.14,105.82 86.49,107.17 101.87,107.17 DO49.1
  Top w0.508: DO49.1 106.31,102.74 106.31,96.35 DO50.1 103.69,93.74 103.69,87.35 DO51.1 103.69,84.74 103.69,78.35 DO52.1 103.69,75.74 103.69,69.35 DO53.1 106.31,66.73 106.31,60.35 DO54.1
  In1.Cu w0.508: DO46.1 106.31,129.74 106.31,123.36 DO47.1 103.7,120.74 103.7,114.35 DO48.1 106.3,111.74 106.3,105.35 DO49.1
